# Altium PCB FPGA_NES.PcbDoc (part 2 of 2)
Units mm, origin at the board's own origin, x right, y up, seen from the top; angles counter-clockwise.
Board outline 100 x 84 mm, 2 copper layers (Top Layer, Bottom Layer), stack 1.57 mm thick; 136 components, 141 nets, 570 pads, 347 vias.
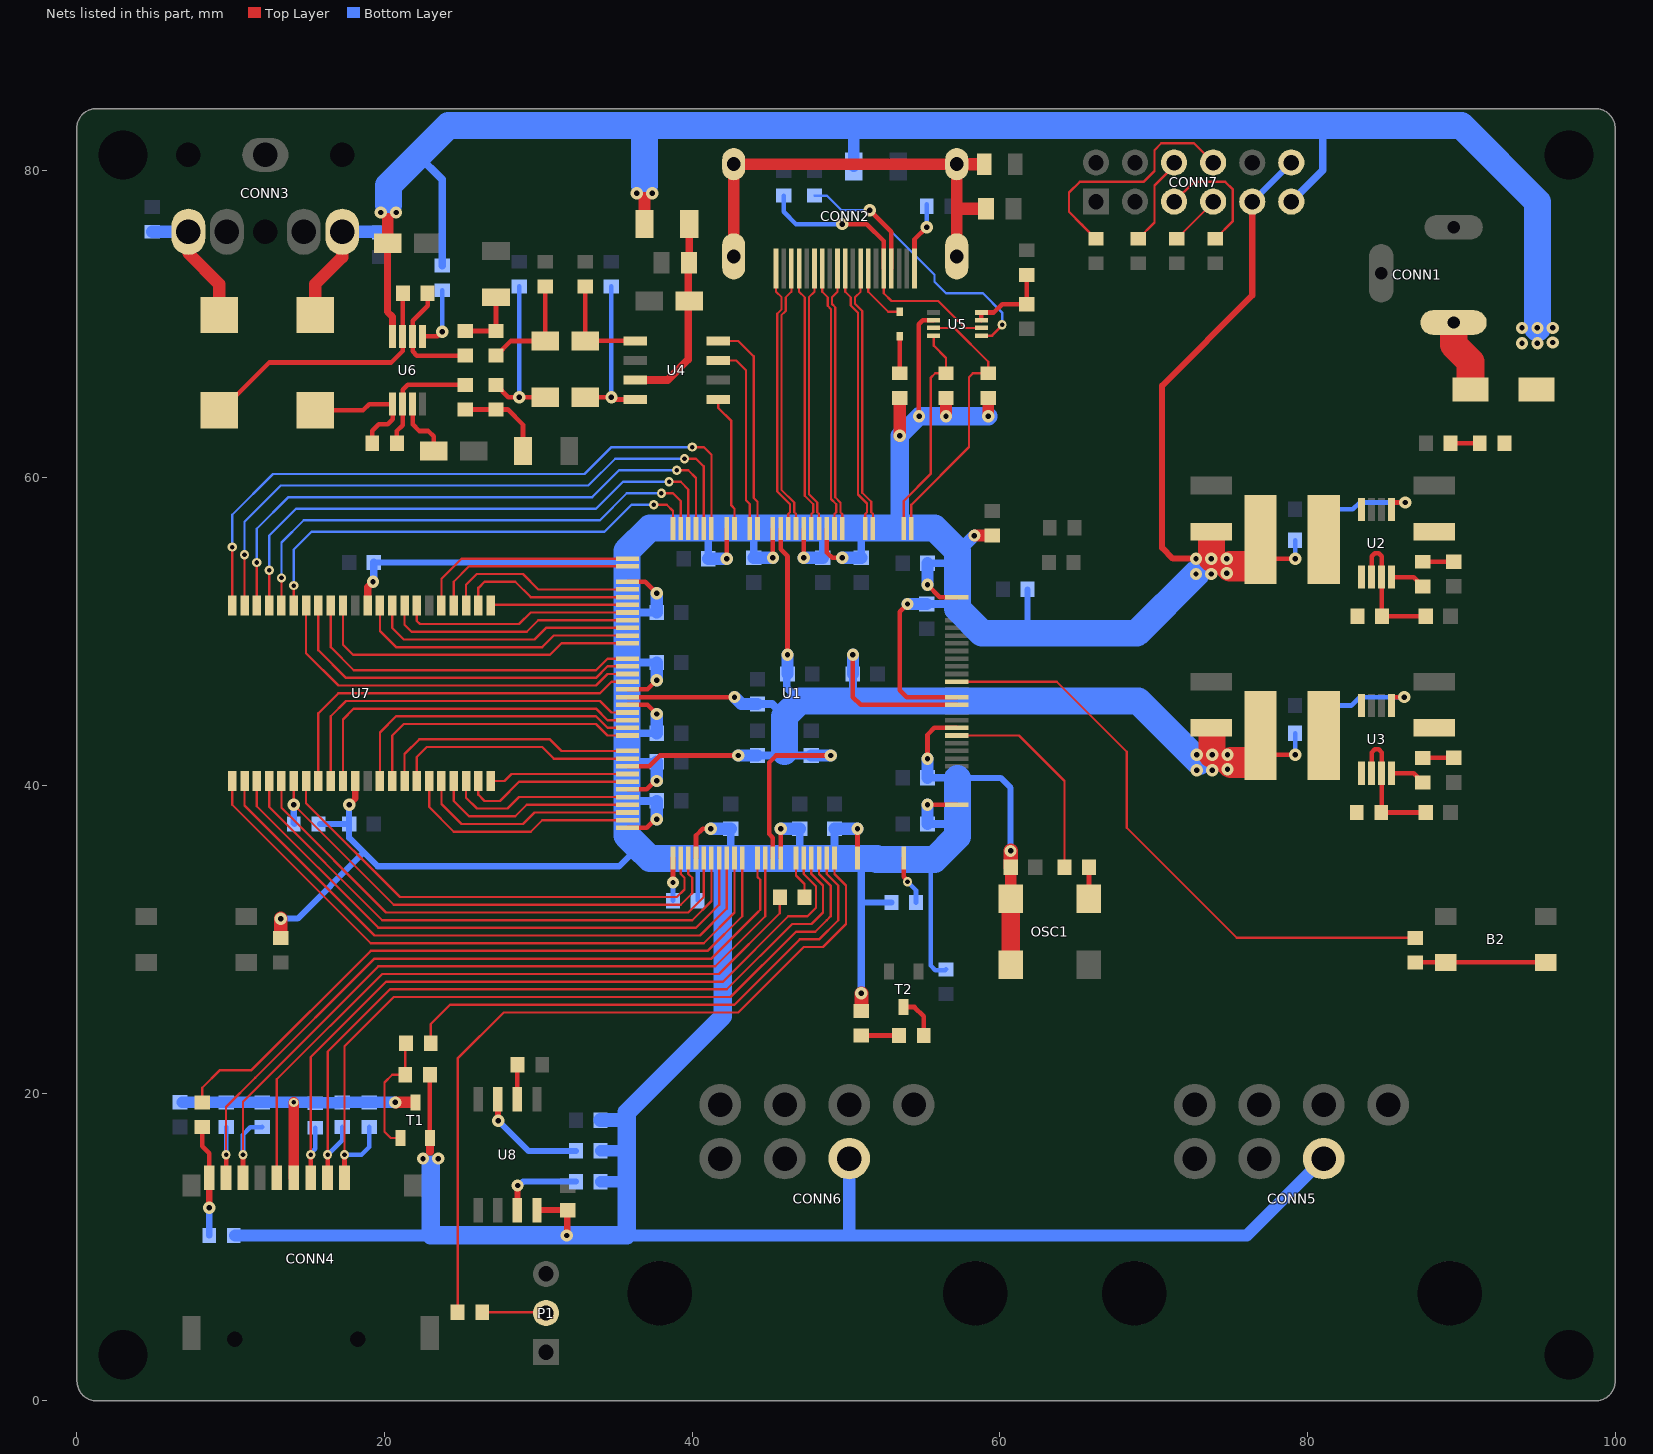
[diagram p2: the nets of this part, all layers, seen from the top]

## Via types
v1: diameter 0.8, hole 0.35, Top Layer to Bottom Layer, tented both sides, 277 vias
v2: diameter 0.6, hole 0.3, Top Layer to Bottom Layer, tented both sides, 70 vias

## Nets (pads, with @x,y where several pads share a name; then routed paths per layer and width w, separated by ;. In a path a pad name is that pad's centre, name@x,y a point inside that pad or via, vN(x,y) a via of type N, cw(c..) or ccw(c..) an arc to the next point about the centre after c; other vN are vias at no path point) (continued)
HDMI_CLK_N: CONN2.12 U1.116 | length 17.5
  Top Layer w0.143: CONN2.12@50.95,73.6 50.95,72.1 50.585,71.735 50.585,71.315 51.05,70.85 51.05,59.032 51.635,58.447 51.635,57.765 51.75,57.65 U1.116@51.75,56.7
HDMI_CLK_P: CONN2.10 U1.117 | length 17.5
  Top Layer w0.143: CONN2.10@49.95,73.6 49.95,72.1 50.315,71.735 50.315,71.203 50.78,70.738 50.78,58.92 51.365,58.335 51.365,57.765 51.25,57.65 U1.117@51.25,56.7
HDMI_D0_N: CONN2.9 U1.120 | length 17.3
  Top Layer w0.143: CONN2.9@49.45,73.6 49.45,72.1 49.085,71.735 49.085,71.3 49.3,71.085 49.3,70.65 49.296,70.65 49.296,58.736 49.635,58.397 49.635,57.765 49.75,57.65 U1.120@49.75,56.7
HDMI_D0_P: CONN2.7 U1.121 | length 17.3
  Top Layer w0.143: CONN2.7@48.45,73.6 48.45,72.1 48.815,71.735 48.815,71.188 49.03,70.973 49.03,70.704 49.026,70.7 49.026,58.624 49.365,58.285 49.365,57.765 49.25,57.65 U1.121@49.25,56.7
HDMI_D1_N: CONN2.6 U1.123 | length 17.3
  Top Layer w0.143: CONN2.6@47.95,73.6 47.95,72.1 47.585,71.735 47.585,58.947 48.135,58.397 48.135,57.765 48.25,57.65 U1.123@48.25,56.7
HDMI_D1_P: CONN2.4 U1.124 | length 17.3
  Top Layer w0.143: CONN2.4@46.95,73.6 46.95,72.1 47.315,71.735 47.315,58.835 47.865,58.285 47.865,57.765 47.75,57.65 U1.124@47.75,56.7
HDMI_D2_N: CONN2.3 U1.126 | length 17.6
  Top Layer w0.143: CONN2.3@46.45,73.6 46.45,72.1 46.085,71.735 46.085,70.853 46.016,70.784 45.8,70.568 45.8,59.232 46.635,58.397 46.635,57.765 46.75,57.65 U1.126@46.75,56.7
HDMI_D2_P: CONN2.1 U1.127 | length 17.6
  Top Layer w0.143: CONN2.1@45.45,73.6 45.45,72.1 45.815,71.735 45.815,70.965 45.53,70.68 45.53,59.12 46.365,58.285 46.365,57.765 46.25,57.65 U1.127@46.25,56.7
HDMI_SCL: R15.1 U1.111 U5.3 | length 18
  Top Layer w0.15: U1.111@54.25,56.7 54.25,58.25 58,62 58,66.55 58.25,66.8 R15.1@59.25,66.8 59.25,67.55 57.05,69.75 U5.3@55.7,69.75
HDMI_SDA: R16.1 U1.112 U5.4 | length 14.4
  Top Layer w0.15: U1.112@53.75,56.7 53.75,58.5 55.5,60.25 55.5,66.5 55.8,66.8 R16.1@56.5,66.8 56.5,67.8 55.7,68.6 U5.4@55.7,69.25
LEFT_AUD: C39.2 R17.2 R27.1 | length 5.9
  Top Layer w0.3: R27.1@25.25,64.45 R17.2@27.25,64.45 28,64.45 29,63.45 C39.2@29,61.75
LRCK: U1.132 U4.3 | length 12.5
  Top Layer w0.15: U4.3@41.7,67.635 42.865,67.635 43.5,67 43.5,58.55 43.75,58.3 U1.132@43.75,56.7
MAN_RSTn: R61.2 U1.92 | length 39.6
  Top Layer w0.15: U1.92@57.2,46.75 63.7,46.75 68.25,42.2 68.25,37.25 75.4,30.1 R61.2@87,30.1
MCLK: U1.131 U4.4 | length 14
  Top Layer w0.15: U4.4@41.7,68.905 42.995,68.905 44,67.9 44,58.7 44.25,58.45 U1.131@44.25,56.7
MEM_A0: U1.47 U7.1 | length 42.3
  Top Layer w0.15: U7.1@10.1,40.3 10.1,38.75 19.1,29.75 40.75,29.75 42.75,31.75 U1.47@42.75,35.3
MEM_A1: U1.46 U7.2 | length 40.5
  Top Layer w0.15: U7.2@10.9,40.3 10.9,38.7 19.35,30.25 40.5,30.25 42.25,32 U1.46@42.25,35.3
MEM_A2: U1.45 U7.3 | length 38.6
  Top Layer w0.15: U7.3@11.7,40.3 11.7,38.65 19.6,30.75 40.25,30.75 41.75,32.25 41.75,34.25 U1.45@41.75,35.3
MEM_A3: U1.44 U7.4 | length 36.8
  Top Layer w0.15: U7.4@12.5,40.3 12.5,38.6 19.85,31.25 40,31.25 41.25,32.5 U1.44@41.25,35.3
MEM_A4: U1.43 U7.5 | length 35
  Top Layer w0.15: U7.5@13.3,40.3 13.3,38.55 20.1,31.75 39.75,31.75 40.75,32.75 40.75,34.25 U1.43@40.75,35.3
MEM_A5: U1.34 U7.18 | length 14.4
  Top Layer w0.15: U7.18@23.7,40.3 23.7,38.8 25,37.5 29,37.5 29.75,38.25 34.75,38.25 U1.34@35.8,38.25
MEM_A6: U1.33 U7.19 | length 13.3
  Top Layer w0.15: U7.19@24.5,40.3 24.5,39 25.5,38 28.5,38 29.25,38.75 34.75,38.75 U1.33@35.8,38.75
MEM_A7: U1.32 U7.20 | length 12.2
  Top Layer w0.15: U7.20@25.3,40.3 25.3,39.213 26.006,38.506 28.001,38.506 28.745,39.25 34.75,39.25 U1.32@35.8,39.25
MEM_A8: U1.30 U7.21 | length 11.3
  Top Layer w0.15: U7.21@26.1,40.3 26.1,39.4 26.5,39 27.5,39 28.75,40.25 34.75,40.25 U1.30@35.8,40.25
MEM_A9: U1.29 U7.22 | length 9.1
  Top Layer w0.15: U7.22@26.9,40.3 27.8,40.3 28.25,40.75 34.75,40.75 U1.29@35.8,40.75
MEM_A10: U1.7 U7.23 | length 8.9
  Top Layer w0.15: U7.23@26.9,51.7 26.95,51.75 U1.7@35.8,51.75
MEM_A11: U1.6 U7.24 | length 11.4
  Top Layer w0.15: U7.24@26.1,51.7 26.1,52.85 26.5,53.25 28.5,53.25 29.5,52.25 34.75,52.25 U1.6@35.8,52.25
MEM_A12: U1.5 U7.25 | length 12.6
  Top Layer w0.15: U7.25@25.3,51.7 25.3,53.05 26,53.75 29,53.75 30,52.75 34.75,52.75 U1.5@35.8,52.75
MEM_A13: U1.2 U7.26 | length 13.3
  Top Layer w0.15: U7.26@24.5,51.7 24.5,53.25 25.5,54.25 34.75,54.25 U1.2@35.8,54.25
MEM_A14: U1.1 U7.27 | length 14.4
  Top Layer w0.15: U7.27@23.7,51.7 23.7,53.45 25,54.75 34.75,54.75 U1.1@35.8,54.75
MEM_A15: U1.139 U7.42 | length 38.6
  Top Layer w0.15: U7.42@11.7,51.7 v2(11.7,54.5) ; v2(39,60.5) 39.75,60.5 40.25,60 U1.139@40.25,56.7
  Bottom Layer w0.15: v2(11.7,54.5) 11.7,56.7 13.75,58.75 33.5,58.75 35.25,60.5 v2(39,60.5)
MEM_A16: U1.138 U7.43 | length 41.3
  Top Layer w0.15: U7.43@10.9,51.7 v2(10.9,55) ; v2(39.5,61.25) 40.25,61.25 40.75,60.75 U1.138@40.75,56.7
  Bottom Layer w0.15: v2(10.9,55) 10.9,57.15 13.25,59.5 33.25,59.5 35,61.25 v2(39.5,61.25)
MEM_A17: U1.137 U7.44 | length 43.9
  Top Layer w0.15: U7.44@10.1,51.7 v2(10.1,55.5) ; v2(40,62) 40.75,62 41.25,61.5 U1.137@41.25,56.7
  Bottom Layer w0.15: v2(10.1,55.5) 10.1,57.6 12.75,60.25 33,60.25 34.75,62 v2(40,62)
MEM_CSn: R49.1 U1.41 U7.6 | length 34.1
  Top Layer w0.15: U7.6@14.1,40.3 v1(14.1,38.75) 20.6,32.25 39.25,32.25 40,33 40,34 39.75,34.25 U1.41@39.75,35.3
  Bottom Layer w0.4: v1(14.1,38.75) 14.1,37.55 R49.1@14.15,37.5
MEM_D0: U1.40 U7.7 | length 30.9
  Top Layer w0.15: U7.7@14.9,40.3 14.9,38.85 21,32.75 39,32.75 39.5,33.25 39.5,34.002 39.25,34.252 U1.40@39.25,35.3
MEM_D1: U1.17 U7.8 | length 25.3
  Top Layer w0.15: U7.8@15.7,40.3 15.7,44.7 17,46 34,46 34.75,46.75 U1.17@35.8,46.75
MEM_D2: U1.21 U7.9 | length 24.2
  Top Layer w0.15: U7.9@16.5,40.3 16.5,44.5 17.5,45.5 34,45.5 34.75,44.75 U1.21@35.8,44.75
MEM_D3: U1.22 U7.10 | length 23.1
  Top Layer w0.15: U7.10@17.3,40.3 17.3,44.3 18,45 33.75,45 34.5,44.25 34.75,44.25 U1.22@35.8,44.25
MEM_D4: U1.23 U7.13 | length 20
  Top Layer w0.15: U7.13@19.7,40.3 19.7,43.45 20.75,44.5 33.75,44.5 34.5,43.75 34.75,43.75 U1.23@35.8,43.75
MEM_D5: U1.24 U7.14 | length 18.9
  Top Layer w0.15: U7.14@20.5,40.3 20.5,43.25 21.25,44 33.75,44 34.5,43.25 34.75,43.25 U1.24@35.8,43.25
MEM_D6: U1.26 U7.15 | length 17
  Top Layer w0.15: U7.15@21.3,40.3 21.3,42.05 22.25,43 30.75,43 31.5,42.25 32.85,42.25 34.75,42.25 U1.26@35.8,42.25
MEM_D7: U1.27 U7.16 | length 15.8
  Top Layer w0.15: U7.16@22.1,40.3 22.1,41.85 22.75,42.5 30.25,42.5 31,41.75 34.75,41.75 U1.27@35.8,41.75
MEM_D8: U1.8 U7.29 | length 15.1
  Top Layer w0.15: U7.29@22.1,51.7 22.1,50.7 22.3,50.5 28.75,50.5 29.5,51.25 U1.8@35.8,51.25
MEM_D9: U1.9 U7.30 | length 16.2
  Top Layer w0.15: U7.30@21.3,51.7 21.3,50.45 21.75,50 29.25,50 30,50.75 34.75,50.75 U1.9@35.8,50.75
MEM_D10: U1.10 U7.31 | length 17.4
  Top Layer w0.15: U7.31@20.5,51.7 20.5,50.25 21.25,49.5 29.75,49.5 30.5,50.25 34.75,50.25 U1.10@35.8,50.25
MEM_D11: U1.11 U7.32 | length 18.5
  Top Layer w0.15: U7.32@19.7,51.7 19.7,50.05 20.75,49 30.25,49 31,49.75 34.75,49.75 U1.11@35.8,49.75
MEM_D12: U1.12 U7.35 | length 21.6
  Top Layer w0.15: U7.35@17.3,51.7 17.3,49.15 17.95,48.5 30.75,48.5 31.5,49.25 34.75,49.25 U1.12@35.8,49.25
MEM_D13: U1.14 U7.36 | length 22.9
  Top Layer w0.15: U7.36@16.5,51.7 16.5,49 18,47.5 33.75,47.5 34.5,48.25 34.75,48.25 U1.14@35.8,48.25
MEM_D14: U1.15 U7.37 | length 24.1
  Top Layer w0.15: U7.37@15.7,51.7 15.7,48.8 17.5,47 33.75,47 34.5,47.75 34.75,47.75 U1.15@35.8,47.75
MEM_D15: U1.16 U7.38 | length 25.2
  Top Layer w0.15: U7.38@14.9,51.7 14.9,48.6 17,46.5 33.75,46.5 34.5,47.25 34.75,47.25 U1.16@35.8,47.25
MEM_LBn: U1.142 U7.39 | length 30.8
  Top Layer w0.15: U7.39@14.1,51.7 14.1,52.55 v2(14.1,53) ; v2(37.5,58.25) 38.35,58.25 38.75,57.85 U1.142@38.75,56.7
  Bottom Layer w0.15: v2(14.1,53) 14.1,55.35 15.25,56.5 34.3,56.5 36.05,58.25 v2(37.5,58.25)
MEM_OEn: U1.140 U7.41 | length 36
  Top Layer w0.15: U7.41@12.5,51.7 v2(12.5,54) ; v2(38.5,59.75) 39.25,59.75 39.75,59.25 39.75,57.7 U1.140@39.75,56.7
  Bottom Layer w0.15: v2(12.5,54) 12.5,56.25 14.25,58 33.75,58 35.5,59.75 v2(38.5,59.75)
MEM_UBn: U1.141 U7.40 | length 33.4
  Top Layer w0.15: U7.40@13.3,51.7 v2(13.3,53.5) ; v2(38,59) 38.75,59 39.25,58.5 39.25,57.7 U1.141@39.25,56.7
  Bottom Layer w0.15: v2(13.3,53.5) 13.3,55.8 14.75,57.25 34,57.25 35.75,59 v2(38,59)
MEM_WEn: U1.35 U7.17 | length 15.6
  Top Layer w0.15: U7.17@22.9,40.3 22.9,38.6 24.5,37 29.5,37 30.25,37.75 34.75,37.75 U1.35@35.8,37.75
NetB2_1: B2.1 B2.2 R61.1 | length 8.5
  Top Layer w0.3: R61.1@87,28.5 B2.2@89,28.5 B2.1@95.5,28.5
NetC3_2: C3.2 R2.2 U2.2 U2.3 | length 8.9
  Top Layer w0.3: U2.2@84.175,53.55 84.175,54.9 84.375,55.1 84.625,55.1 84.825,54.9 U2.3@84.825,53.55 84.825,51.025 R2.2@84.85,51 C3.2@87.7,51
NetC4_2: C4.2 R4.1 | length 2
  Top Layer w0.3: R4.1@87.5,54.55 C4.2@89.5,54.55
NetC30_2: C30.2 R6.2 U3.2 U3.3 | length 8.3
  Top Layer w0.3: U3.2@84.175,40.8 84.175,42.15 84.375,42.35 84.625,42.35 84.825,42.15 U3.3@84.825,40.8 R6.2@84.825,38.725 ; R6.2@85,38.25 C30.2@87.7,38.25
NetC31_2: C31.2 R8.1 | length 2
  Top Layer w0.3: R8.1@87.5,41.8 C31.2@89.5,41.8
NetC32_2: C32.2 C33.1 FB1.2 U4.7 | length 12.9
  Top Layer w0.5: U4.7@36.3,66.365 38.415,66.365 39.75,67.7 39.75,71.45 C33.1@39.8,71.5 39.75,71.55 39.75,72.75 39.75,73.95 C32.2@39.8,74 FB1.2@39.8,76.5
NetC34_1: C34.1 R21.1 U4.8 | length 10.5
  Top Layer w0.3: C34.1@33.05,65.25 v1(34.75,65.25) ccw(c34.905,65.25) 34.905,65.095 U4.8@36.3,65.095
  Bottom Layer w0.3: v1(34.75,65.25) R21.1@34.75,72.45
NetC34_2: C34.2 R17.1 R23.1 | length 10.7
  Top Layer w0.3: R17.1@27.25,66.05 28.05,65.25 v1(28.75,65.25) C34.2@30.45,65.25
  Bottom Layer w0.3: v1(28.75,65.25) R23.1@28.75,72.45
NetC35_1: C35.1 R20.1 U4.5 | length 6.8
  Top Layer w0.3: R20.1@33,72.45 33.05,72.4 C35.1@33.05,68.9 ; C35.1@33.055,68.905 U4.5@36.3,68.905
NetC35_2: C35.2 R18.1 R22.1 | length 7.2
  Top Layer w0.3: R18.1@27.25,67.95 28.2,68.9 C35.2@30.45,68.9 30.45,72.4 R22.1@30.5,72.45
NetC36_2: C36.2 CONN2.S1 CONN2.S2 CONN2.S3 CONN2.S4 R19.2 | length 30.2
  Top Layer w0.75: CONN2.S1@42.7,74.4 CONN2.S3@42.7,80.4 ; CONN2.S3@42.8,80.4 CONN2.S4@57.2,80.4 CONN2.S2@57.2,74.4
  Top Layer w0.8: CONN2.S3@42.7,80.4 42.8,80.4 CONN2.S3@42.8,80.5 ; CONN2.S4@57.2,80.4 R19.2@59,80.4 ; 57.3,77.5 C36.2@59.1,77.5
NetC37_2: C37.2 R14.1 U5.7 U5.8 | length 5.6
  Top Layer w0.3: U5.7@58.8,70.25 U5.8@58.8,70.75 59.6,70.75 60.15,71.3 C37.2@61.75,71.3 R14.1@61.75,73.2
NetC41_1: C41.1 R24.2 U6.1 | length 8.6
  Top Layer w0.3: C41.1@15.5,64.4 18.6,64.4 19,64.8 U6.1@20.525,64.8 20.525,63.825 20.2,63.5 19.625,63.5 19.2,63.075 R24.2@19.2,62.25
NetC41_2: C41.2 CONN3.3 R37.2 | length 8.6
  Top Layer w0.8: C41.2@15.5,70.6 15.5,72.6 17.25,74.35 CONN3.3@17.25,76
  Bottom Layer w0.8: CONN3.3@17.25,76 19.65,76 R37.2@19.7,75.95
NetC42_1: C42.1 CONN4.4 R30.1 R31.1 R32.1 R33.1 R34.1 T1.3 | length 19.8
  Top Layer w0.7: CONN4.4@14.1,14.5 v2(14.1,19.4)
  Top Layer w0.75: v1@20.754,19.396 20.75,19.4 T1.3@21.75,19.4
  Bottom Layer w0.75: C42.1@6.85,19.4 9.75,19.4 R32.1@12.05,19.4 v2(14.1,19.4) 15.2,19.4 15.225,19.375 17.025,19.375 17.05,19.4 R33.1@19.05,19.4 ; R33.1@19,19.4 v1(20.7,19.4)
NetC43_1: C43.1 R38.2 U6.7 | length 17.3
  Top Layer w0.3: C43.1@9.25,64.4 9.4,64.4 12.5,67.5 20.425,67.5 21.175,68.25 U6.7@21.175,69.2 21.175,71.975 R38.2@21.2,72
NetC43_2: C43.2 CONN3.2 R36.2 | length 8.6
  Top Layer w0.8: CONN3.2@7.25,76 7.25,74.6 9.25,72.6 C43.2@9.25,70.6
  Bottom Layer w0.8: R36.2@4.9,76 CONN3.2@7.25,76
NetC44_1: C44.1 U6.3 | length 4
  Top Layer w0.3: U6.3@21.825,64.8 21.825,63.475 22.25,63.05 22.85,63.05 23.2,62.7 C44.1@23.2,61.75
NetCONN1_1: CONN1.1 D1.2 | length 4.3
  Top Layer w1.8: CONN1.1@89.5,69.85 89.5,68.65 90.6,67.55 D1.2@90.6,66
NetCONN2_13: CONN2.13 D3.1 | length 4.1
  Top Layer w0.15: CONN2.13@51.45,73.6 51.45,72.1 52.75,70.8 D3.1@53.5,70.8
NetCONN2_15: CONN2.15 R12.1 U5.6 | length 19
  Top Layer w0.15: CONN2.15@52.45,73.6 52.45,72 52.95,71.5 56,71.5 57.75,69.75 U5.6@58.8,69.75
  Top Layer w0.3: v1(49.75,76.5) 51.35,76.5 52.45,75.4 CONN2.15@52.45,73.6
  Bottom Layer w0.3: R12.1@45.95,78.35 45.95,77.3 46.75,76.5 v1(49.75,76.5)
NetCONN2_16: CONN2.16 R13.1 U5.5 | length 22.5
  Top Layer w0.15: U5.5@58.8,69.25 59.5,69.25 60.15,69.9 v2(60.15,69.95)
  Top Layer w0.3: v1(51.55,77.4) 52.95,76 52.95,75.126 CONN2.16@52.95,73.6
  Bottom Layer w0.15: R13.1@47.95,78.35 48.75,78.35 49.7,77.4 v1(51.55,77.4) 54.35,74.6 55.75,73.2 55.75,72.75 56.5,72 58.9,72 60.15,70.75 v2(60.15,69.95)
NetCONN2_19: CONN2.19 R11.2 | length 4.5
  Top Layer w0.3: CONN2.19@54.45,73.6 54.45,75.5 v1(55.25,76.3)
  Bottom Layer w0.3: v1(55.25,76.3) R11.2@55.25,77.8
NetCONN4_5: CONN4.5 R39.2 | length 44.6
  Top Layer w0.15: CONN4.5@13,14.5 13,20.9 19.85,27.75 41.75,27.75 45.7,31.7 R39.2@45.7,32.75
NetCONN4_9: CONN4.9 R35.2 R40.2 | length 7.2
  Top Layer w0.3: R40.2@8.15,17.8 8.15,16.55 8.6,16.1 CONN4.9@8.6,14.5
  Top Layer w0.4: v1(8.6,12.55) CONN4.9@8.6,14.5
  Bottom Layer w0.4: R35.2@8.6,10.75 v1(8.6,12.55)
NetCONN7_5: CONN7.5 R46.1 | length 8.2
  Top Layer w0.15: CONN7.5@71.33,77.96 72.615,79.245 74.655,79.245 75.15,78.75 75.15,76.7 R46.1@74,75.55
NetCONN7_6: CONN7.6 R45.2 | length 5.9
  Top Layer w0.15: R45.2@69,75.55 70.05,76.6 70.05,79 71.33,80.28 CONN7.6@71.33,80.5
NetCONN7_7: CONN7.7 R44.1 | length 3.4
  Top Layer w0.15: R44.1@71.5,75.55 73.87,77.92 CONN7.7@73.87,77.96
NetCONN7_8: CONN7.8 R43.2 | length 15.7
  Top Layer w0.15: R43.2@66.25,75.55 65.35,76.45 64.5,77.3 64.5,78.55 65.195,79.245 69.345,79.245 70.05,79.95 70.05,81.3 70.5,81.75 70.805,81.75 70.81,81.755 71.85,81.755 71.855,81.75 72.62,81.75 CONN7.8@73.87,80.5
NetD2_1: D2.1 R1.1 | length 1.9
  Top Layer w0.3: D2.1@89.3,62.25 R1.1@91.2,62.25
NetD3_2: D3.2 R10.2 | length 2.4
  Top Layer w0.3: R10.2@53.5,66.8 D3.2@53.5,69.2
NetD4_2: D4.2 R59.2 | length 2.4
  Top Layer w0.3: D4.2@51,23.75 R59.2@53.45,23.75
NetL1_1: L1.1 U2.8
NetL2_1: L2.1 U3.8
NetOSC1_3: OSC1.3 R60.1 | length 2.1
  Top Layer w0.3: OSC1.3@65.79,32.65 65.8,32.66 R60.1@65.8,34.7
NetP1_2: P1.2 R55.1 | length 4.2
  Top Layer w0.15: R55.1@26.3,5.75 30.46,5.75 P1.2@30.5,5.71
NetR3_1: R3.1 R5.2 U2.5 | length 8.6
  Top Layer w0.3: U2.5@85.5,58.4 v1(86.35,58.4)
  Bottom Layer w0.3: R3.1@80.8,55.95 R5.2@80.8,57.95 82.95,57.95 83.4,58.4 v1(86.35,58.4)
NetR4_2: R4.2 U2.4 | length 2.3
  Top Layer w0.3: U2.4@85.475,53.55 86.9,53.55 R4.2@87.5,52.95
NetR7_1: R7.1 R9.2 U3.5 | length 8.3
  Top Layer w0.3: U3.5@85.6,45.75 v1(86.3,45.75) v1@86.3,45.65
  Bottom Layer w0.3: R7.1@80.8,43.4 R9.2@80.8,45.204 80.804,45.2 82.85,45.2 83.4,45.75 v1(86.3,45.75)
NetR8_2: R8.2 U3.4 | length 2.3
  Top Layer w0.3: U3.4@85.475,40.8 86.9,40.8 R8.2@87.5,40.2
NetR24_1: R24.1 R27.2 U6.2 | length 7.8
  Top Layer w0.3: R24.1@20.8,62.25 20.8,63.05 21.175,63.425 U6.2@21.175,64.8 21.175,65.725 21.5,66.05 R27.2@25.25,66.05
NetR25_2: R25.2 R26.2 T1.1 | length 8
  Top Layer w0.15: T1.1@21.05,17.091 20.409,17.091 20,17.5 20,20.7 20.5,21.2 R25.2@21.35,21.2 R26.2@21.35,23.25
NetR28_2: R28.2 R38.1 U6.6 | length 7.7
  Top Layer w0.3: R38.1@22.8,72 22.8,71.2 21.825,70.225 U6.6@21.825,69.2 21.825,68.225 22.1,67.95 R28.2@25.25,67.95
NetR29_2: R29.2 U6.5 | length 4.1
  Top Layer w0.3: U6.5@22.475,69.2 23.45,69.2 v1(23.75,69.5)
  Bottom Layer w0.3: v1(23.75,69.5) R29.2@23.75,72.2
NetR51_1: R51.1 U8.7 | length 5.5
  Top Layer w0.4: U8.7@28.635,12.4 28.643,12.408 28.643,13.993 v1(28.65,14)
  Bottom Layer w0.4: v1(28.65,14) 28.758,14 29.008,14.25 R51.1@32.45,14.25
NetR52_1: R52.1 U8.3 | length 7.3
  Top Layer w0.4: U8.3@27.365,19.6 27.383,19.583 27.383,18.217 v1(27.4,18.2)
  Bottom Layer w0.4: v1(27.4,18.2) 29.35,16.25 R52.1@32.45,16.25
NetR53_2: R53.2 U8.2 | length 2.4
  Top Layer w0.3: U8.2@28.635,19.6 28.635,21.95 R53.2@28.7,21.95
NetR54_2: R54.2 U1.69 | length 3.2
  Top Layer w0.3: U1.69@53.75,35.3 53.75,34.081 54,33.831 v2(54,33.75)
  Bottom Layer w0.3: v2(54,33.75) 54.55,33.2 R54.2@54.55,32.4
NetR55_2: R55.2 U1.60 | length 50
  Top Layer w0.15: R55.2@24.75,5.75 24.75,22.25 27.75,25.25 43,25.25 47.25,29.5 48.5,29.5 50,31 50,33.5 49.25,34.25 U1.60@49.25,35.3
NetR56_2: R56.2 U1.39 | length 2.8
  Top Layer w0.3: v1(38.75,33.7) U1.39@38.75,35.3
  Bottom Layer w0.3: R56.2@38.75,32.5 v1(38.75,33.7)
NetR59_1: R59.1 T2.3 | length 2.8
  Top Layer w0.3: T2.3@53.75,25.6 54.45,25.6 55.05,25 R59.1@55.05,23.75
OSC_CLK: R60.2 U1.85 | length 13.9
  Top Layer w0.15: U1.85@57.2,43.25 61.25,43.25 64.2,40.3 R60.2@64.2,34.7 ; R60.2@64.25,34.7 R60.2@64.3,34.75
RIGHT_AUD: C38.2 R18.2 R28.1 | length 4.2
  Top Layer w0.3: R28.1@25.25,69.55 R18.2@27.25,69.55 C38.2@27.25,71.75
SDATA: U1.134 U4.1 | length 8.8
  Top Layer w0.15: U4.1@41.7,65.095 41.7,64.55 42.55,63.7 42.55,58.2 42.75,58 U1.134@42.75,56.7
SDCARD_CD: R40.1 U1.48 | length 44.5
  Top Layer w0.15: R40.1@8.15,19.4 8.15,20.35 9.3,21.5 11.35,21.5 19.1,29.25 41,29.25 43.25,31.5 U1.48@43.25,35.3
SDCARD_CLK: R39.1 U1.55 | length 2.8
  Top Layer w0.15: U1.55@46.75,35.3 46.75,34.15 47.3,33.6 R39.1@47.3,32.75
SDCARD_CSn_DAT3: CONN4.2 R30.2 U1.57 | length 50.2
  Top Layer w0.15: v2(16.3,16) 16.3,22.7 20.35,26.75 42.25,26.75 46.5,31 47.75,31 48.5,31.75 48.5,33.5 47.75,34.25 U1.57@47.75,35.3
  Top Layer w0.3: CONN4.2@16.3,14.5 v2(16.3,16)
  Bottom Layer w0.3: v2(16.3,16) 17.25,16.95 R30.2@17.25,17.8
SDCARD_DAT1: CONN4.8 R34.2 U1.50 | length 49.9
  Top Layer w0.15: v2(9.7,16) 9.7,19.1 11.6,21 19.35,28.75 41.259,28.75 44.25,31.75 44.425,31.925 44.425,33.875 44.25,34.05 U1.50@44.25,35.3
  Top Layer w0.3: CONN4.8@9.7,14.5 v2(9.7,16)
  Bottom Layer w0.3: v2(9.7,16) R34.2@9.7,17.8
SDCARD_DAT2: CONN4.1 R33.2 U1.58 | length 50.9
  Top Layer w0.15: v2(17.4,16) 17.4,23.05 20.6,26.25 42.5,26.25 46.75,30.5 48,30.5 48.75,31.25 49,31.5 49,33.5 48.25,34.25 U1.58@48.25,35.3
  Top Layer w0.3: CONN4.1@17.4,14.5 v2(17.4,16)
  Bottom Layer w0.3: v2(17.4,16) 18.5,16 19,16.5 R33.2@19,17.8
SDCARD_MISO_DAT0: CONN4.7 R32.2 U1.51 | length 50.4
  Top Layer w0.15: v2(10.8,16) 10.8,19.45 19.6,28.25 41.5,28.25 44.75,31.5 44.75,34.25 U1.51@44.75,35.3
  Top Layer w0.3: CONN4.7@10.8,14.5 v2(10.8,16)
  Bottom Layer w0.3: v2(10.8,16) 10.8,17.3 11.276,17.776 12.026,17.776 R32.2@12.05,17.8
SDCARD_MOSI_CMD: CONN4.3 R31.2 U1.56 | length 50.2
  Top Layer w0.15: v2(15.2,16) 15.2,22.35 20.1,27.25 42,27.25 46.25,31.5 47.5,31.5 48.05,32.05 48.05,33.45 47.25,34.25 U1.56@47.25,35.3
  Top Layer w0.3: CONN4.3@15.2,14.5 v2(15.2,16)
  Bottom Layer w0.3: v2(15.2,16) 15.2,16.081 15.5,16.381 R31.2@15.5,17.75
SDCARD_PWCONT: R26.1 U1.59 | length 34.9
  Top Layer w0.15: R26.1@23,23.25 23,24.5 24.25,25.75 42.75,25.75 47,30 48.25,30 49.5,31.25 49.5,33.5 48.75,34.25 U1.59@48.75,35.3
VCC5: C2.2 C29.2 C40.1 CONN7.11 D1.1 F1.2 FB1.1 R1.2 R2.1 R6.1 R29.1 U2.1 U3.1 U6.8 | length 117.8
  Top Layer w0.45: C40.1@20.2,75.25 20.2,70.8 20.525,70.475 U6.8@20.525,69.2
  Top Layer w0.75: C40.1@20.2,75.25 20.2,76.85 ; FB1.1@36.9,76.5 36.9,78.2
  Bottom Layer w0.5: 22.2,80.95 23.75,79.4 R29.1@23.75,73.8 ; 50.25,82.9 50.5,82.65 ; 53.85,82.7 54.05,82.9 ; CONN7.11@78.95,77.96 81,80.01 81,82.9
  Bottom Layer w0.75: F1.2@50.5,80.25 50.5,82.65
  Bottom Layer w1.75: 20.25,77.75 20.25,79 22.2,80.95 24.15,82.9 36.9,82.9 ; 36.9,79 36.9,82.9 ; v1(94.95,69.75) 94.95,77.945 89.995,82.9 81,82.9 54.05,82.9 50.25,82.9 36.9,82.9
  other v1: 93.95,68.75 94.95,68.75 95.95,68.8 93.95,69.75 95.95,69.75 19.75,77.25 20.75,77.25 36.4,78.5 37.4,78.5
VCC12: C5.2 C6.2 C7.2 C8.2 C9.2 C28.2 L2.2 R7.2 U1.19 U1.28 U1.52 U1.89 U1.128 | length 96.5
  Top Layer w0.3: U1.28@35.8,41.25 37.2,41.25 37.9,41.95 v1(43,41.95) ; U1.19@35.8,45.75 v1(42.75,45.75) ; U1.52@45.25,35.3 45.25,36.6 45,36.85 45,41.5 45.45,41.95 v1(49,41.95) ; U1.128@45.75,56.7 45.75,55.361 46.2,54.911 v1(46.2,48.5) ; v1(50.45,48.5) 50.45,45.75 50.95,45.25 56.512,45.25 U1.89@57.2,45.25 ; L2.2@76.95,42 v1(79.2,42)
  Top Layer w1.75: v1(73.8,42) C28.2@73.8,43.2
  Top Layer w2: 75.05,41.5 L2.2@76.25,41.5
  Bottom Layer w0.3: v1(79.2,42) R7.2@79.2,43.4
  Bottom Layer w0.5: C8.2@44.25,41.95 C5.2@47.75,41.95 ; C7.2@44.25,45.3 45.2,45.3 46,44.5 ; C9.2@46.2,47.25 46.15,47.2 46.15,46.35 47,45.5 ; 50.45,45.5 C6.2@50.45,47.25
  Bottom Layer w0.8: v1(42.75,45.75) 43.2,45.3 C7.2@44.25,45.3 ; v1(43,41.95) C8.2@44.25,41.95 ; C9.2@46.2,47.25 v1(46.2,48.5) ; C5.2@47.75,41.95 v1(49,41.95) ; C6.2@50.45,47.25 v1(50.45,48.5)
  Bottom Layer w1.75: 46,42.2 46,44.5 47,45.5 50.45,45.5 69,45.5 72.95,41.55
  other v1: 72.8,41 73.8,41 74.8,41.05 72.8,42 74.8,42
VCC33: C1.2 C10.2 C11.2 C12.2 C13.2 C14.2 C15.2 C16.2 C17.2 C18.2 C19.2 C20.2 C21.2 C22.2 C23.2 C24.2 C25.2 C26.2 C27.2 C45.2 C46.2 CONN5.5 CONN6.5 CONN7.9 CONN7.12 D4.1 L1.2 OSC1.1 OSC1.4 R3.2 R10.1 R15.2 R16.2 R25.1 R35.1 R41.1 R42.1 R49.2 R50.2 R51.2 R52.2 R54.1 R56.1 R57.2 R58.2 T1.2 U1.4 U1.18 U1.20 U1.31 U1.36 U1.42 U1.53 U1.63 U1.76 U1.86 U1.90 U1.103 U1.122 U1.125 U1.129 U1.135 U5.2 U7.11 U7.33 U8.8 | length 465
  Top Layer w0.3: T1.2@22.95,17.091 R25.1@22.95,21.2 ; U1.36@35.8,37.25 37.048,37.25 37.598,37.8 v1(37.7,37.8) ; U1.31@35.8,39.75 37.048,39.75 37.598,40.3 v1(37.7,40.3) ; U1.20@35.8,45.25 37.098,45.25 37.698,44.65 v1(37.7,44.65) ; U1.18@35.8,46.25 37.098,46.25 37.698,46.85 v1(37.7,46.85) ; U1.4@35.8,53.25 36.95,53.25 v1(37.7,52.5) ; U1.42@40.25,35.3 40.25,36.75 40.7,37.2 v1(41.2,37.2) ; v1(42.25,54.75) U1.135@42.25,56.7 ; v1(45.25,54.8) U1.129@45.25,56.7 ; U1.53@45.75,35.3 v1(45.75,37.2) ; v1(47.25,54.8) U1.125@47.25,56.7 ; U1.122@48.75,56.7 48.75,55.15 49.1,54.8 v1(49.75,54.8) ; U1.63@50.75,35.3 v1(50.75,37.2) ; v1(54,51.8) 53.5,51.3 53.5,46.2 53.95,45.75 54.75,45.75 U1.90@57.2,45.75 ; v1@54.732,64.018 54.732,69.982 55,70.25 U5.2@55.7,70.25 ; v1(55.3,38.75) U1.76@57.2,38.75 ; v1(55.3,41.75) 55.3,43.3 55.75,43.75 U1.86@57.2,43.75 ; v1(55.3,53.05) 56.1,52.25 U1.103@57.2,52.25 ; L1.2@77.5,54.75 v1(79.2,54.75)
  Top Layer w0.4: v1(17.7,38.75) 18.1,39.15 U7.11@18.1,40.3 ; U8.8@29.905,12.4 C45.2@31.9,12.4 31.875,12.375 31.875,10.775 v1(31.85,10.75) ; v1(72.75,54.75) 71.256,54.75 70.55,55.456 70.55,66 76.41,71.86 CONN7.9@76.41,77.96
  Top Layer w0.5: U7.33@18.9,51.7 18.9,52.9 v1(19.25,53.25) ; 22.95,16.2 T1.2@22.95,17.091
  Top Layer w0.75: v1(56.5,64) R16.2@56.5,65.2 ; v1(59.25,64) R15.2@59.25,65.2 ; C46.2@60.7,34.7 60.705,34.695 60.705,32.655 OSC1.4@60.71,32.65
  Top Layer w0.8: v1(53.5,62.75) R10.1@53.5,65.2 ; v1(58.35,56.25) R41.1@59.5,56.25
  Top Layer w0.9: R57.2@13.25,30.1 v1(13.25,31.35) ; D4.1@51,25.35 v1(51,26.5)
  Top Layer w0.95: C46.2@60.7,34.7 v1(60.7,35.75)
  Top Layer w1.2: OSC1.1@60.71,28.35 OSC1.4@60.71,32.65
  Top Layer w1.75: v1(73.75,54.75) C1.2@73.75,55.95
  Top Layer w2: 75,54.25 L1.2@76.2,54.25
  Bottom Layer w0.3: R56.1@40.35,32.5 40.35,35.25 ; 55.5,35.15 55.5,28.3 55.8,28 56.45,28 R58.2@56.5,28.05 ; v1(79.2,54.75) R3.2@79.2,55.95
  Bottom Layer w0.4: v1(13.25,31.35) 14.35,31.35 18.65,35.65 ; R49.2@15.8,37.5 C15.2@17.7,37.5 ; v1(17.7,38.75) C15.2@17.7,37.5 ; C16.2@19.3,54.5 35,54.5 35.75,55.25 ; 36.5,36 35.25,34.75 19.55,34.75 18.65,35.65 ; 51,32.4 R54.1@52.95,32.4 ; 57.2,40.5 60.05,40.5 60.7,39.85 v1(60.7,35.75) ; 61.75,49.9 61.8,49.95 R42.1@61.8,52.75 ; CONN7.9@76.41,77.96 CONN7.12@78.95,80.5 ; C15.2@17.7,37.5 17.7,36.6 18.65,35.65
  Bottom Layer w0.5: v1(19.25,53.25) 19.3,53.3 C16.2@19.3,54.5 ; 35.75,39 C25.2@37.7,39 ; 35.75,51.25 C22.2@37.7,51.25 ; 35.8,41.55 C24.2@37.7,41.55 ; 35.8,43.4 C27.2@37.7,43.4 ; 35.85,48 C17.2@37.7,48 ; C14.2@41.05,54.75 41.05,56.75 ; 42.5,35.3 C18.2@42.5,37.2 ; C10.2@44,54.8 44,56.75 ; 47,35.15 47,35.25 C21.2@47,37.2 ; C11.2@48.5,54.8 48.5,56.75 ; 49.25,35.25 C23.2@49.25,37.2 ; v1(51,26.5) 51,32.4 51,35.25 ; C19.2@51,54.8 51,56.75 ; C12.2@55.25,51.8 57.25,51.8 57.35,51.8 ; C13.2@55.3,37.5 56.45,37.5 57.25,36.7 ; C20.2@55.3,40.5 57.2,40.5 57.25,40.45 ; C26.2@55.3,54.45 57.2,54.45
  Bottom Layer w0.75: R51.2@34.05,14.25 35.7,14.25 ; R52.2@34.05,16.25 35.75,16.25
  Bottom Layer w0.8: R35.1@10.3,10.75 23,10.75 ; 35.7,14.25 35.75,14.3 ; 35.75,10.75 76.057,10.75 CONN5.5@81.057,15.75 ; v1(37.7,37.8) C25.2@37.7,39 ; v1(37.7,40.3) C24.2@37.7,41.55 ; C27.2@37.7,43.4 v1(37.7,44.65) ; v1(37.7,46.85) C17.2@37.7,48 ; C22.2@37.7,51.25 v1(37.7,52.5) ; C14.2@41.05,54.75 v1(42.25,54.75) ; v1(41.2,37.2) C18.2@42.5,37.2 ; C10.2@44,54.8 v1(45.25,54.8) ; v1(45.75,37.2) C21.2@47,37.2 ; v1(47.25,54.8) C11.2@48.5,54.8 ; C23.2@49.25,37.2 v1(50.75,37.2) ; v1(49.75,54.8) C19.2@51,54.8 ; 50.207,10.807 CONN6.5@50.207,15.75 ; v1(54,51.8) C12.2@55.25,51.8 ; C13.2@55.3,37.5 v1(55.3,38.75) ; C20.2@55.3,40.5 v1(55.3,41.75) ; v1(55.3,53.05) C26.2@55.3,54.45 ; 57.25,55.25 57.35,55.25 v1(58.35,56.25)
  Bottom Layer w0.9: R50.2@34.05,18.25 35.65,18.25
  Bottom Layer w1.2: 23,15.35 23,10.75 v1(31.85,10.75) 35.75,10.75 35.75,14.3 35.75,16.25 35.75,18.75 42,25 42,35.15 ; 53.5,56.75 v1(53.5,62.75) v1(54.75,64) v1(56.5,64) v1(59.25,64)
  Bottom Layer w1.75: 52,35.2 55.75,35.2 57.25,36.7 57.25,40.45 ; 52,35.25 51,35.25 49.25,35.25 47,35.25 40.35,35.25 37.25,35.25 36.5,36 35.75,36.75 35.75,39 35.75,51.25 35.75,55.25 37.25,56.75 41.05,56.75 44,56.75 48.5,56.75 51,56.75 53.5,56.75 55.75,56.75 57.25,55.25 57.25,51.8 57.25,51.5 58.85,49.9 61.75,49.9 68.9,49.9 v1(72.75,53.75)
  other v1: 22.5,15.75 23.5,15.75 73.75,53.75 74.75,53.8 74.75,54.75
pads on no net: CONN2.14 CONN3.4 CONN3.5 CONN3.6 CONN3.7 CONN3.8 CONN4.MH1 CONN4.MH2 CONN5.6 CONN5.7 CONN5.8 CONN5.9 CONN6.6 CONN6.7 CONN6.8 CONN6.9 P1.1 U1.61 U1.62 U1.72 U1.80 U1.81 U1.82 U1.83 U1.84 U1.87 U1.88 U1.93 U1.97 U1.98 U1.99 U1.100 U1.101 U1.102 U1.105 U1.114 U1.115 U1.118 U1.119 U1.143 U7.28

## Polygon pours and split planes (outlines as drawn)
GND on Bottom Layer "GND_L02_P042" (solid, remove dead copper, pour order 42): 98.75,83.7 cw(c98.75,82.75) 99.7,82.75 99.7,1.25 cw(c98.75,1.25) 98.75,0.3 1.25,0.3 cw(c1.25,1.25) 0.3,1.25 0.3,82.75 cw(c1.25,82.75) 1.25,83.7
VCC33 on Bottom Layer "VCC33_L02_P025" (solid, pour order 25): 72.25,55 cw(c72.5,55) 72.5,55.25 75,55.25 cw(c75,55) 75.25,55 75.25,53.5 cw(c75,53.5) 75,53.25 72.5,53.25 cw(c72.5,53.5) 72.25,53.5
VCC5 on Bottom Layer "VCC5_L02_P027" (solid, pour order 27): 93.45,70 cw(c93.7,70) 93.7,70.25 96.2,70.25 cw(c96.2,70) 96.45,70 96.45,68.5 cw(c96.2,68.5) 96.2,68.25 93.7,68.25 cw(c93.7,68.5) 93.45,68.5
VCC12 on Bottom Layer "VCC12_L02_P029" (solid, pour order 29): 72.3,42.25 cw(c72.55,42.25) 72.55,42.5 75.05,42.5 cw(c75.05,42.25) 75.3,42.25 75.3,40.75 cw(c75.05,40.75) 75.05,40.5 72.55,40.5 cw(c72.55,40.75) 72.3,40.75
VCC5 on Bottom Layer "VCC5_L02_P030" (solid, pour order 30): 19.25,77 ccw(c19.5,77) 19.5,76.75 21,76.75 ccw(c21,77) 21.25,77 21.25,77.5 ccw(c21,77.5) 21,77.75 19.5,77.75 ccw(c19.5,77.5) 19.25,77.5 19.25,77.2
VCC5 on Bottom Layer "VCC5_L02_P032" (solid, pour order 32): 35.9,78.25 ccw(c36.15,78.25) 36.15,78 37.65,78 ccw(c37.65,78.25) 37.9,78.25 37.9,78.75 ccw(c37.65,78.75) 37.65,79 36.15,79 ccw(c36.15,78.75) 35.9,78.75 35.9,78.45
VCC33 on Bottom Layer "VCC33_L02_P036" (solid, pour order 36): 22,16 22,15.5 ccw(c22.25,15.5) 22.25,15.25 23.75,15.25 ccw(c23.75,15.5) 24,15.5 24,16 ccw(c23.75,16) 23.75,16.25 22.25,16.25 ccw(c22.25,16)
GND on Top Layer "GND_L01_P041" (solid, remove dead copper, pour order 41): 98.75,83.7 cw(c98.75,82.75) 99.7,82.75 99.7,1.25 cw(c98.75,1.25) 98.75,0.3 1.25,0.3 cw(c1.25,1.25) 0.3,1.25 0.3,82.75 cw(c1.25,82.75) 1.25,83.7
VCC5 on Top Layer "VCC5_L01_P034" (solid, pour order 34): 96.25,70.25 97.25,70.25 cw(c97.25,69.75) 97.75,69.75 97.75,37.25 cw(c96.75,37.25) 96.75,36.25 95.75,36.25 80.95,36.25 cw(c80.95,37.25) 79.95,37.25 79.95,46.2 89.85,46.2 89.85,48.25 ccw(c89.15,48.25) 89.15,48.95 88.85,48.95 80.7,48.95 cw(c80.7,49.7) 79.95,49.7 79.95,58.65 91.25,58.65 ccw(c91.25,59.4) 92,59.4 92,63 cw(c92.5,63) 92.5,63.5 92.75,63.5 ccw(c92.75,64) 93.25,64 93.25,69.752 cw(c93.755,69.752) 93.755,70.257 94.3,70.25
GND on Top Layer "GND_L01_P043" (solid, pour order 43): 57.25,40.3 57.2,40.25 57.2,37.45 60.05,37.45 60,37.5 60,39.55 59.25,40.3
GND on Top Layer "GND_L01_P023" (solid, pour order 23): 44.4,73 52.2,73 52.2,56.7 44.4,56.7
NetL1_1 on Top Layer "NETL1_1_L01_P011" (solid, pour order 11): 83.75,58.95 83.75,57.15 82.15,57.15 82.15,53.05 79.95,53.05 79.95,58.95
NetL2_1 on Top Layer "NETL2_1_L01_P014" (solid, pour order 14): 83.8,44.4 83.8,46.2 79.95,46.2 79.95,40.3 82.15,40.3 82.15,44.4
VCC33 on Top Layer "VCC33_L01_P024" (solid, pour order 24): 72.25,55 cw(c72.5,55) 72.5,55.25 75,55.25 cw(c75,55) 75.25,55 75.25,53.5 cw(c75,53.5) 75,53.25 72.5,53.25 cw(c72.5,53.5) 72.25,53.5
VCC5 on Top Layer "VCC5_L01_P026" (solid, pour order 26): 93.45,70 cw(c93.7,70) 93.7,70.25 96.2,70.25 cw(c96.2,70) 96.45,70 96.45,68.5 cw(c96.2,68.5) 96.2,68.25 93.7,68.25 cw(c93.7,68.5) 93.45,68.5
VCC12 on Top Layer "VCC12_L01_P028" (solid, pour order 28): 72.3,42.25 cw(c72.55,42.25) 72.55,42.5 75.05,42.5 cw(c75.05,42.25) 75.3,42.25 75.3,40.75 cw(c75.05,40.75) 75.05,40.5 72.55,40.5 cw(c72.55,40.75) 72.3,40.75
VCC5 on Top Layer "VCC5_L01_P031" (solid, pour order 31): 19.25,77 ccw(c19.5,77) 19.5,76.75 21,76.75 ccw(c21,77) 21.25,77 21.25,77.5 ccw(c21,77.5) 21,77.75 19.5,77.75 ccw(c19.5,77.5) 19.25,77.5 19.25,77.2
VCC5 on Top Layer "VCC5_L01_P033" (solid, pour order 33): 35.9,78.25 ccw(c36.15,78.25) 36.15,78 37.65,78 ccw(c37.65,78.25) 37.9,78.25 37.9,78.75 ccw(c37.65,78.75) 37.65,79 36.15,79 ccw(c36.15,78.75) 35.9,78.75 35.9,78.45
VCC33 on Top Layer "VCC33_L01_P037" (solid, pour order 37): 22,16 22,15.5 ccw(c22.25,15.5) 22.25,15.25 23.75,15.25 ccw(c23.75,15.5) 24,15.5 24,16 ccw(c23.75,16) 23.75,16.25 22.25,16.25 ccw(c22.25,16)

## Silkscreen, mask and mechanical layers (free items; w line width, h text height)
Top Overlay:
  drawing of 40 lines, arcs and shapes, not listed
  text "DEV. PORT" at 68.85,71.5 h1.2
  text "MOSI:P104" at 64.7,69.25 h1
  text "CLK:P95" at 74,69.25 h1
  text "HDMI" at 47.95,68.5 h1.2
  text "MISO:P144" at 64.7,67.85 h1
  text "RST:P94" at 74,67.85 h1
  text "5V DC" at 83.225,67.75 h1
  text "AUDIO OUT" at 5.4,67.5 h1.2 r90
  text "POWER" at 83.225,66.325 h1
  text "SOCKET" at 83.2,64.925 h1
  text "PWR" at 82.9,61.6 h1.3
  text "PROG" at 5.35,25.75 h1.3
  text "RST" at 90.6,25.35 h1.3
  text "DONE" at 45.1,23.5 h1.3
  text "MICROSD CARD" at 6.25,6.5 h1 r90
  text "SPI" at 28.75,6.5 h1.3 r90
  text "JTAG" at 28.8,0.85 h1.3 r90
Mechanical 1:
  lines w0.254: 0,82.73 0,82.25 0.005,2.978 0.005,1.52 0.005,1.27 ccw(c1.275,1.27) 1.275,0 2.75,0 97.768,0 98.73,0 ccw(c98.73,1.27) 100,1.27 100,82 100,82.736 ccw(c98.736,82.736) 98.736,84 98,84 1.25,84 ccw(c1.25,82.75) 0,82.75
Mechanical 5:
  lines w0.2: -8.05,0 -0.05,0 ; -8.05,84 -0.05,84 ; -4.717,2 -4.05,0 ; -4.717,82 -4.05,84 ; -4.05,35.281 -4.05,0 ; -4.05,48.719 -4.05,84 ; -3.383,2 -4.05,0 ; -3.383,82 -4.05,84 ; -0.002,84.05 0.002,92.05 ; 2,87.382 0,88.05 ; 2,88.716 0,88.05 ; 42.448,88.029 0,88.05 ; 57.552,88.021 100,88 ; 98,87.334 100,88 ; 98,88.668 100,88 ; 99.998,84 100.002,92
  text "100 (mm)" at 42.702,86.729 h2 r359.97
  text "84 (mm)" at -2.75,35.535 h2 r90

## Text inside footprints (layer, text, board x,y; h text height)
CONN7: Top Overlay "2" at 63.5,79.95 h1.27; Top Overlay "1" at 63.71,77.452 h1.27